# Altium PCB VESC_DEVICE.PcbDoc (part 1 of 2)
Units mil, origin at the board's own origin, x right, y up, seen from the top; angles counter-clockwise.
Board outline 2716.54 x 2125.98 mil, 4 copper layers (TOP, LAYER_1, LAYER_2, BOTTOM), stack 62.139 mil thick; 117 components, 97 nets, 397 pads, 447 vias.
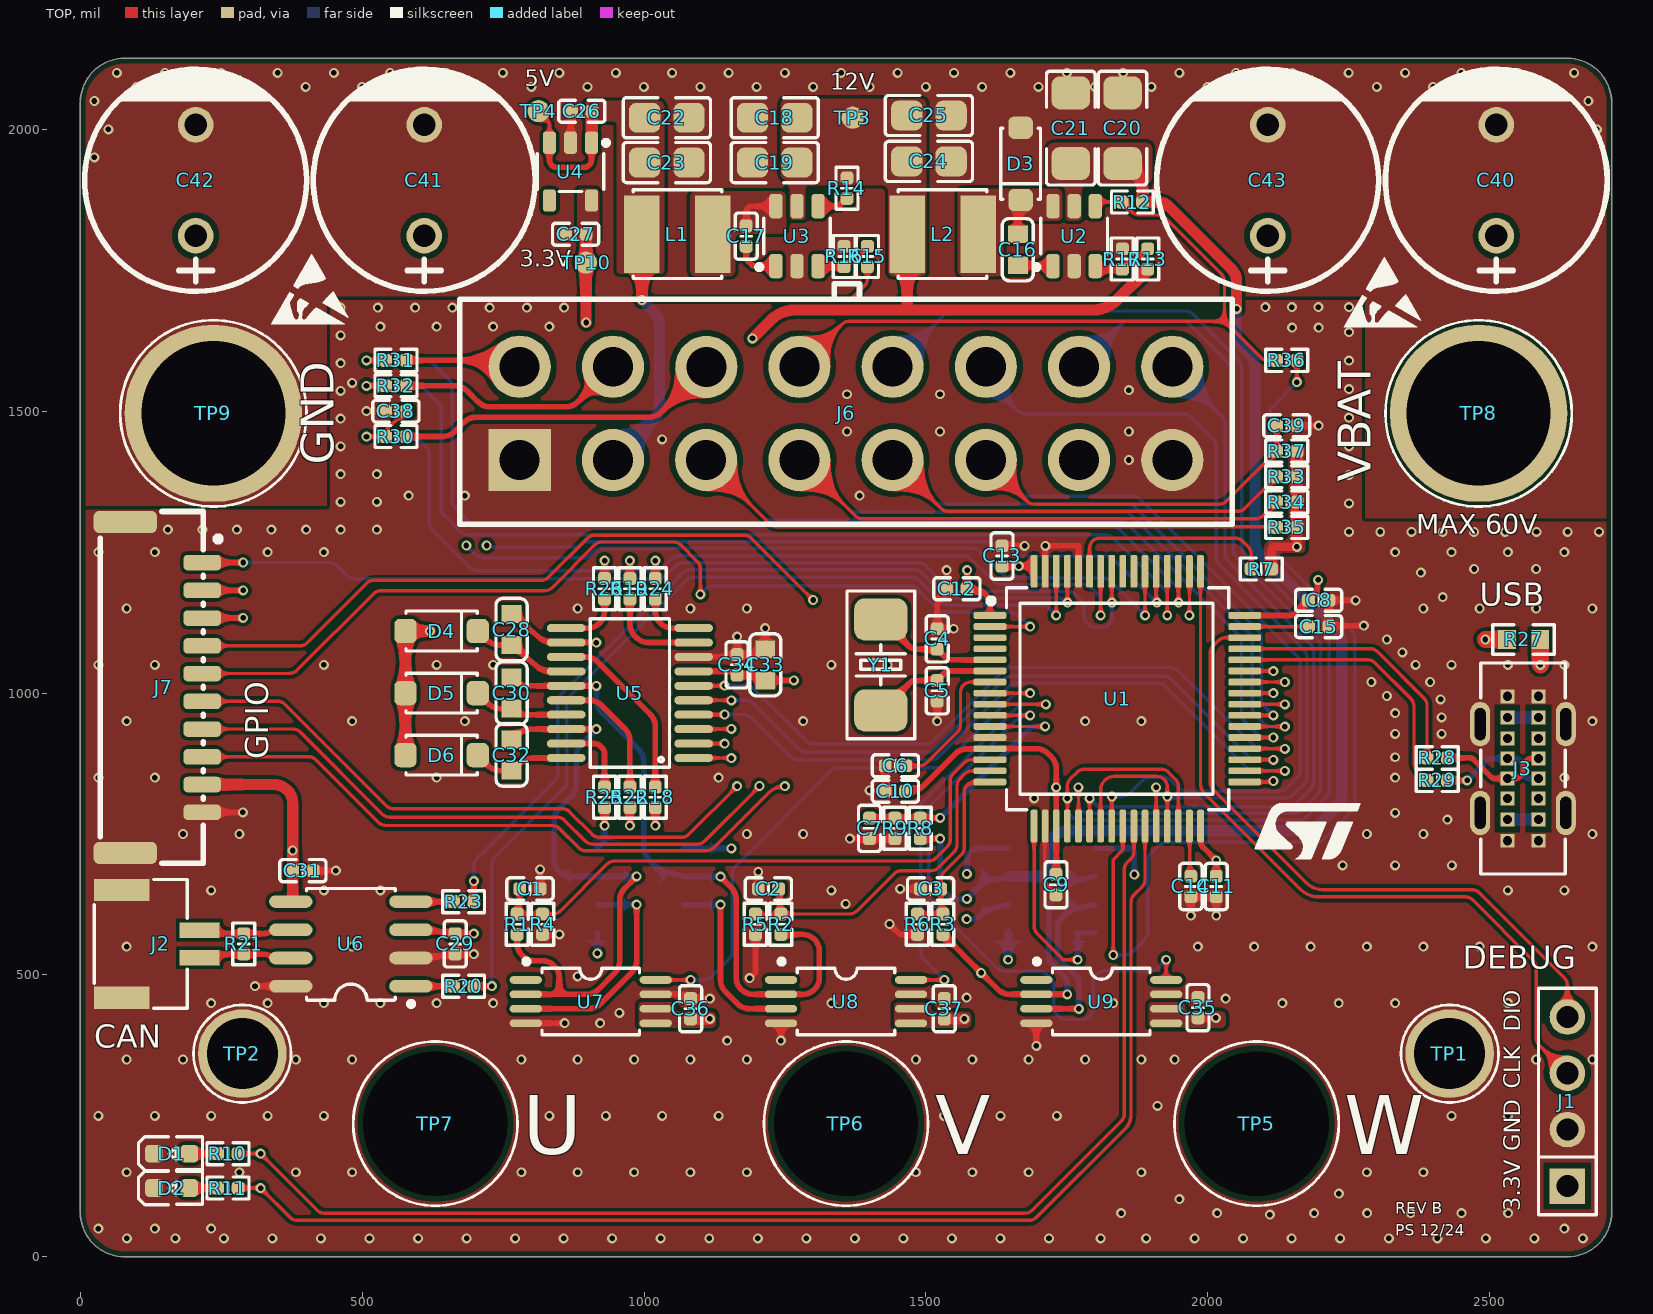
[diagram p0: TOP view]
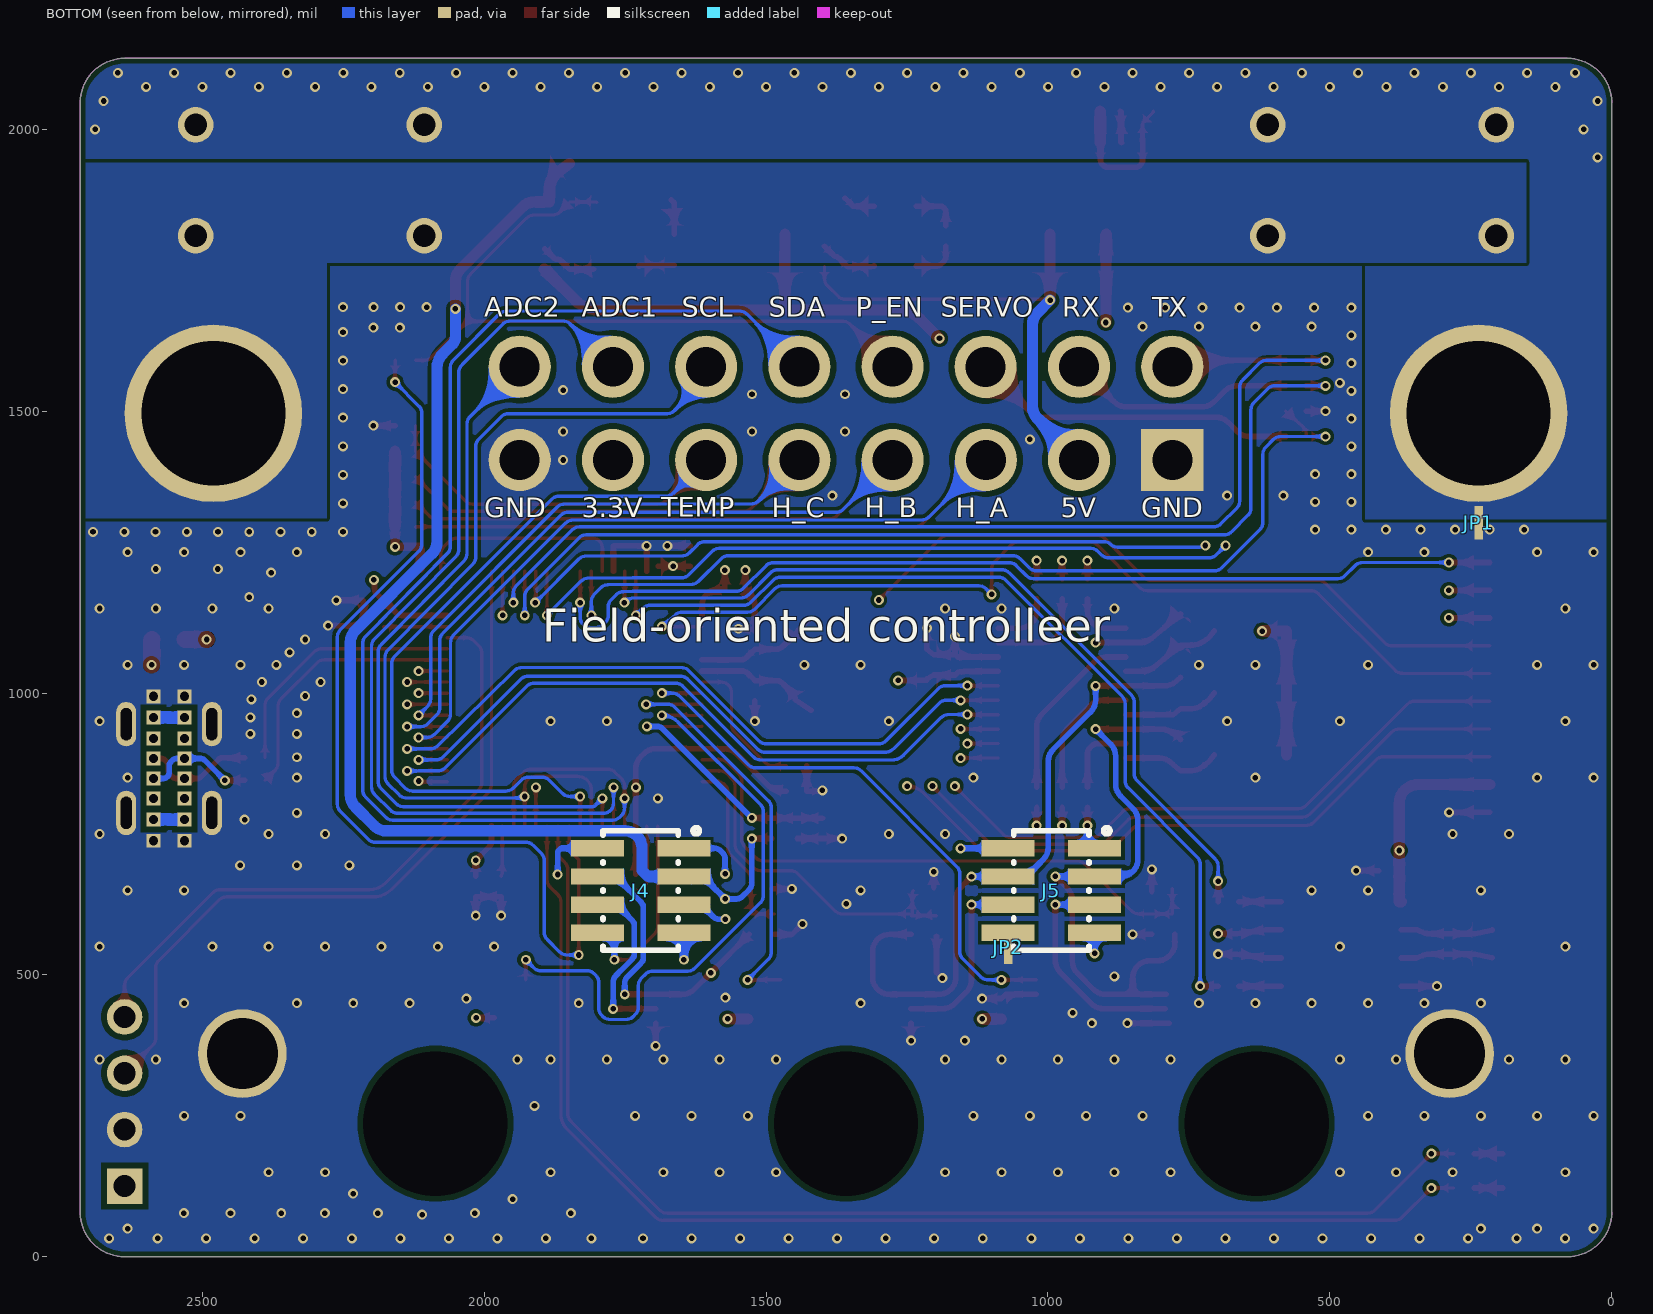
[diagram p1: BOTTOM view, seen from below]
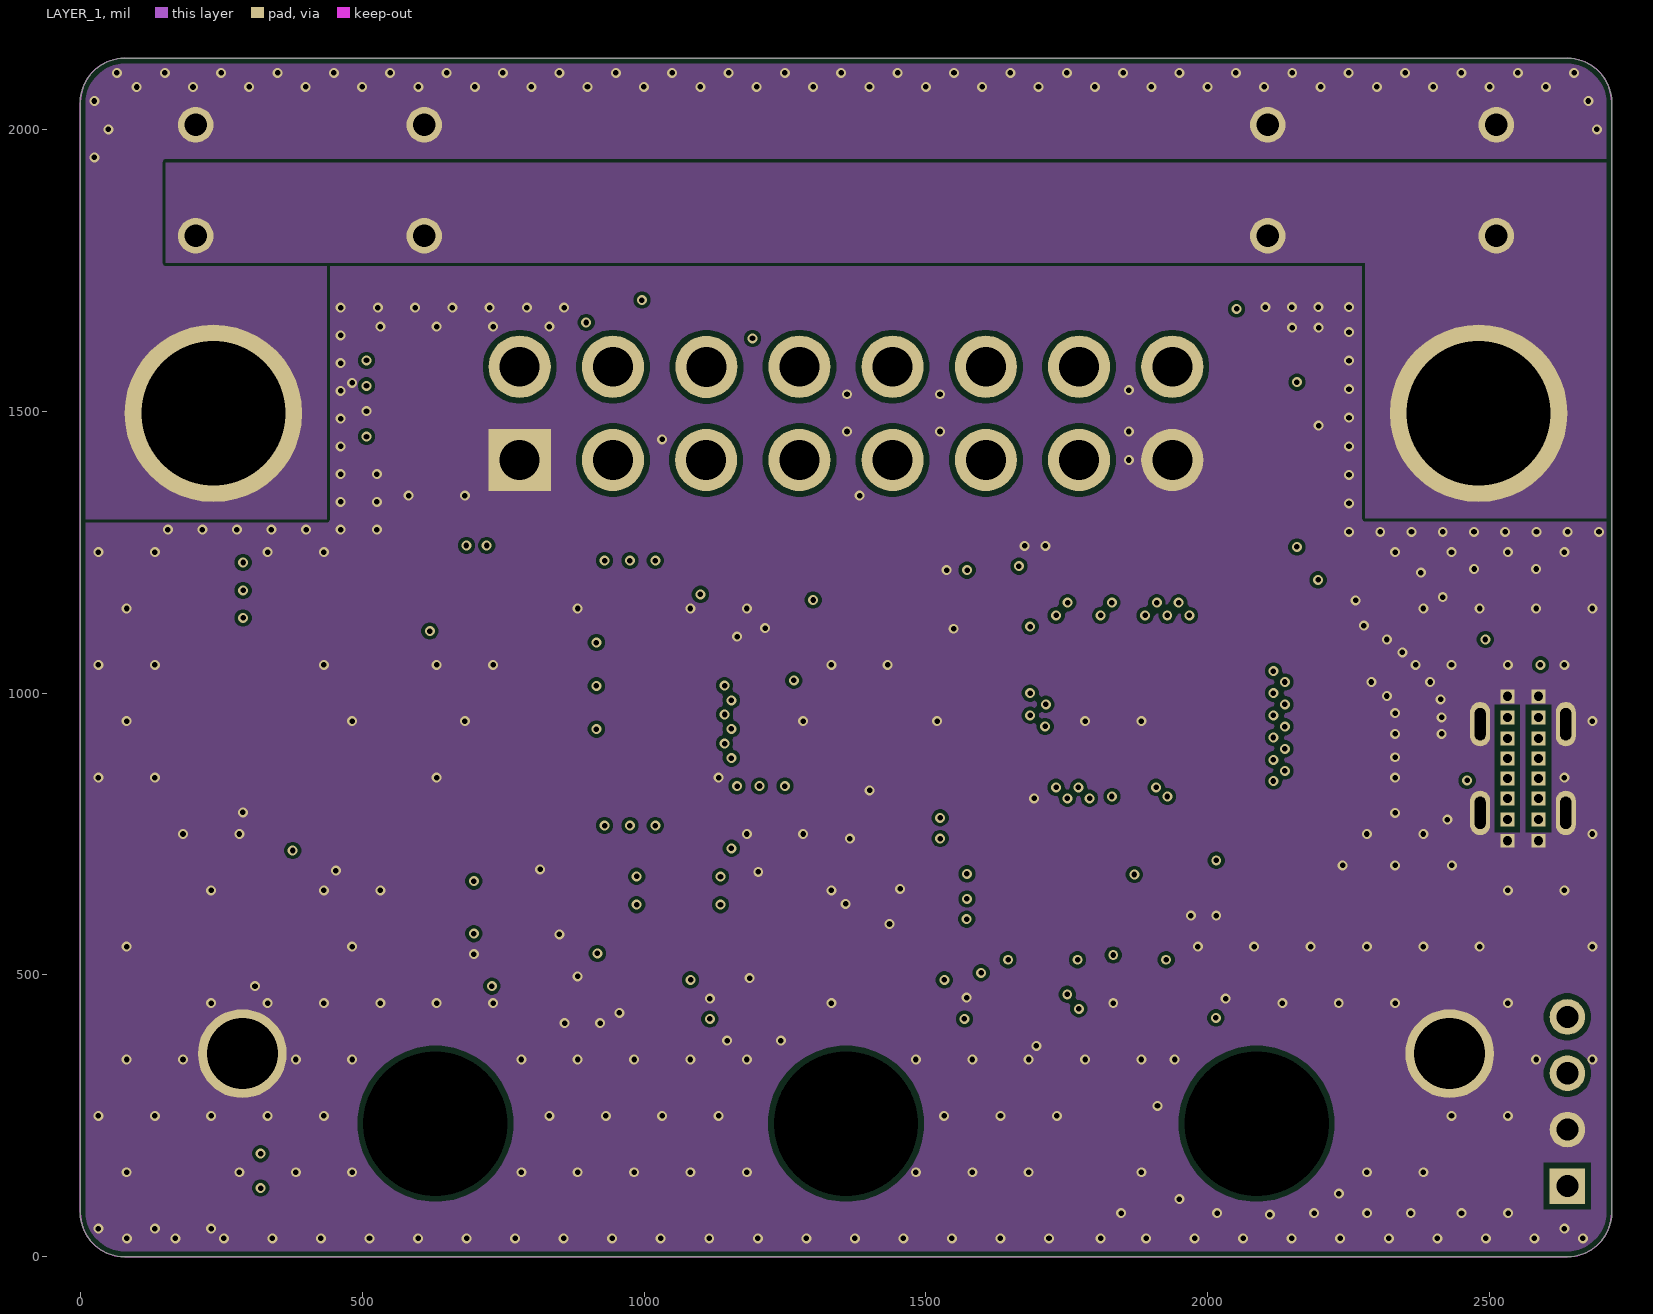
[diagram p2: LAYER_1]
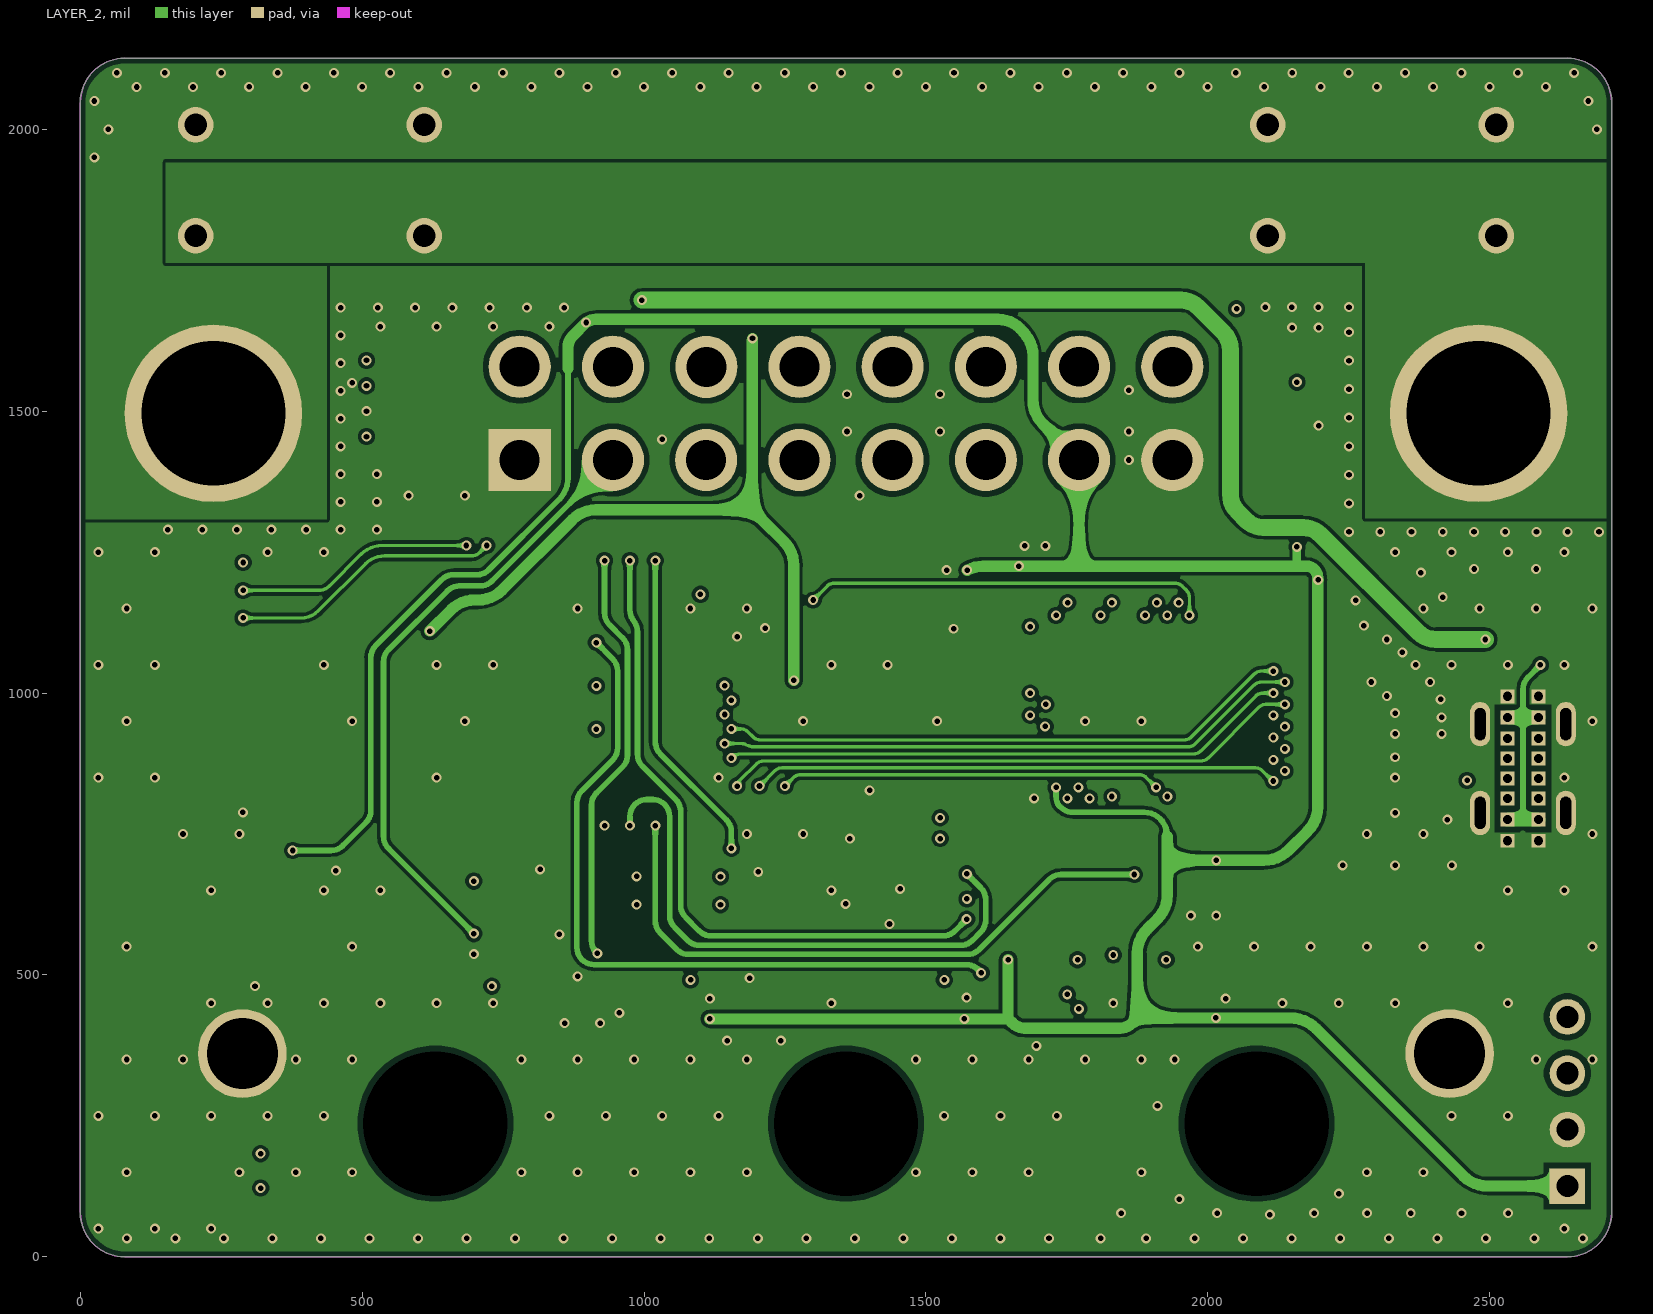
[diagram p3: LAYER_2]
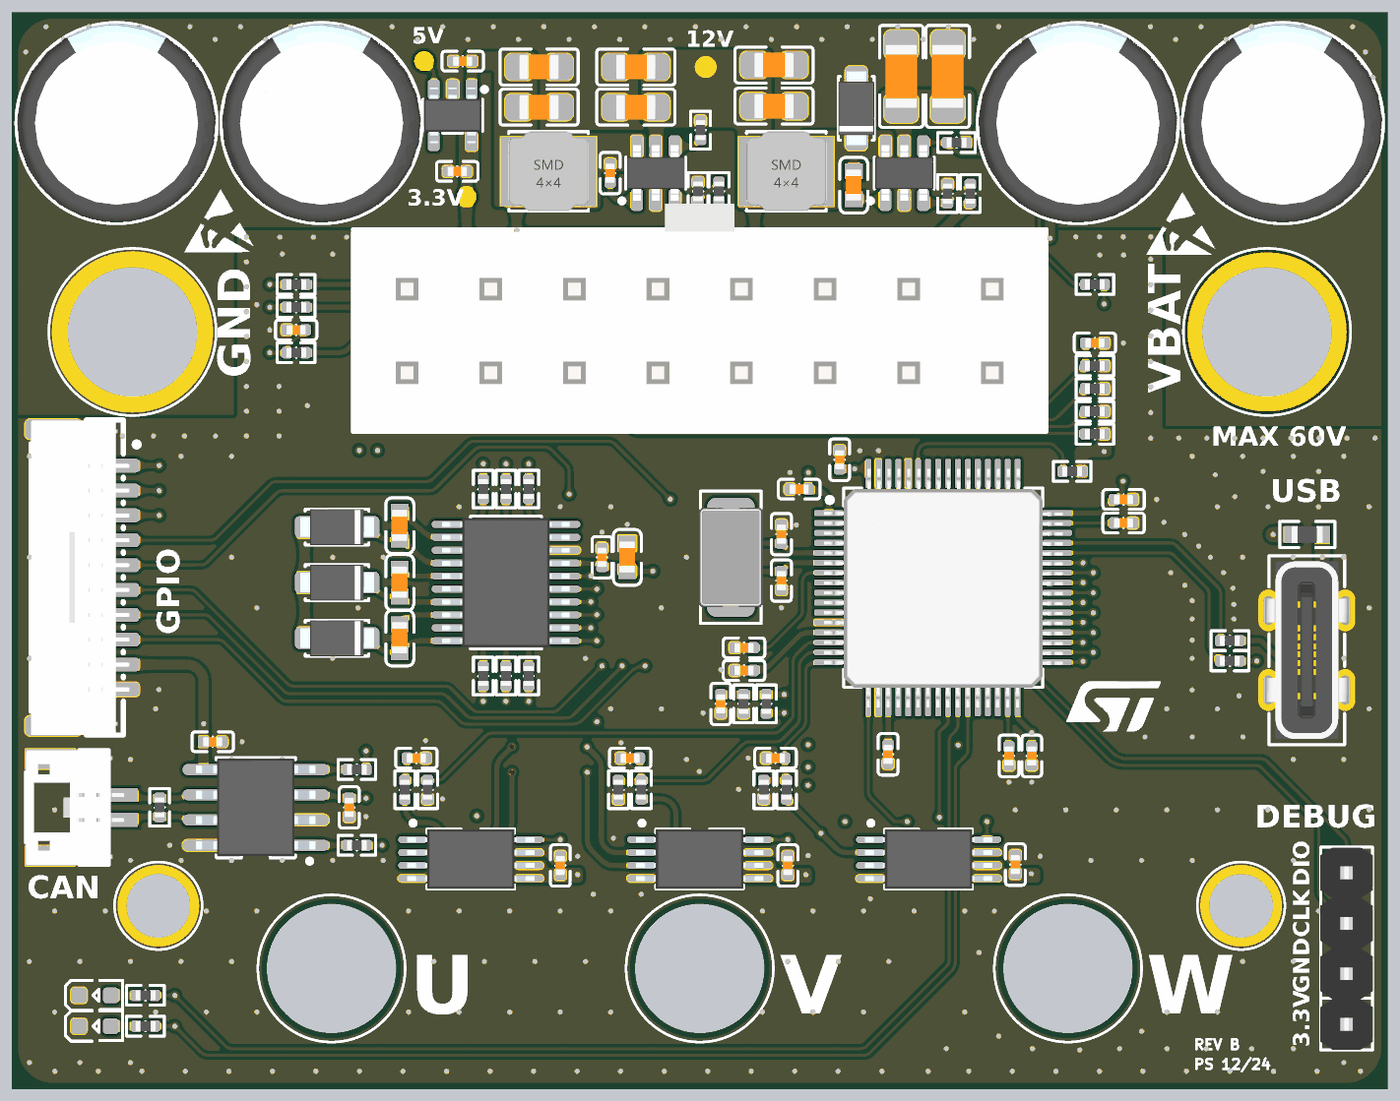
[diagram p5: 3D render of the assembled board from above, using the file's embedded part models]

## Layer stack, top to bottom
Top Solder: solder mask 0.4, Solder Resist, Dk 3.5
TOP: signal copper 1.2
Dielectric 1: core 8, FR-4, Dk 4.5
LAYER_1: signal copper 1.2
Dielectric2: core 41.3386, Core-042, Dk 4.6
LAYER_2: signal copper 1.2
Dielectric3: core 8, FR-4, Dk 4.5
BOTTOM: signal copper 1.2
Bottom Solder: solder mask 0.4, Solder Resist, Dk 3.5

## Board outline
0,78.74 0,2047.24 cw(c78.74,2047.24) 78.74,2125.98 2637.8,2125.98 cw(c2637.8,2047.24) 2716.54,2047.24 2716.54,78.74 cw(c2637.8,78.74) 2637.8,0 78.74,0 cw(c78.74,78.74)

## Design rules (kind name [scope] priority, off if disabled: settings)
BoardOutlineClearance [All] p1: gap=10 ignorepadtopadclearanceinfootprint=FALSE except(0: Arc-SplitContinuation Track-SplitContinuation SMDPad-SplitContinuation THPad-SplitContinuation Via-SplitContinuation Fill-SplitContinuation Poly-SplitContinuation Region-SplitContinuation Text-SplitContinuation; 2: Arc-OutlineEdge Track-OutlineEdge SMDPad-OutlineEdge THPad-OutlineEdge Via-OutlineEdge Fill-OutlineEdge Region-OutlineEdge Text-OutlineEdge)
Clearance [All] p1: gap=6 ignorepadtopadclearanceinfootprint=FALSE except(10: THPad-Fill THPad-Poly THPad-Region Fill-Hole Poly-Hole Region-Hole)
HoleSize [All] p1: absolutevalues=TRUE maxlimit=1000 minlimit=1 maxpercent=80.000 minpercent=20.000
MinimumSolderMaskSliver [All] p1: minsoldermaskwidth=2
PlaneConnect [All] p1: planeconnectstyle=Direct reliefexpansion=20 reliefentries=4 reliefconductorwidth=10 reliefairgap=10
PolygonConnect [All] p1: connectstyle=Direct reliefconductorwidth=10 reliefentries=4 polygonreliefangle="90 Angle" airgapwidth=10
RoutingVias [All] p1: holewidth=9.84 width=17.72 viastyle="Through Hole" minholewidth=9.84 minwidth=17.72 maxholewidth=28 maxwidth=50
ShortCircuit ShortCircuit_1 [InComponent('JP1','JP2')] p1: allowed=TRUE
ShortCircuit [All] p2: allowed=FALSE
SilkToSilkClearance [All] p1: silktosilkclearance=2
SilkToSolderMaskClearance [IsPad] p1: minsilkscreentomaskgap=1 clearancetoexposedcopper=TRUE
SolderMaskExpansion [All] p1: expansion=2 istentingtop=FALSE
SupplyNets "Schematic Supply Nets_9" [InNet('3V3')] p1: voltage=0.000
SupplyNets "Schematic Supply Nets_8" [InNet('SHC')] p2: voltage=0.000
SupplyNets "Schematic Supply Nets_7" [InNet('SHB')] p3: voltage=0.000
SupplyNets "Schematic Supply Nets_6" [InNet('5V')] p4: voltage=0.000
SupplyNets "Schematic Supply Nets_5" [InNet('SHA')] p5: voltage=0.000
SupplyNets "Schematic Supply Nets_4" [InNet('GND')] p6: voltage=0.000
SupplyNets "Schematic Supply Nets_3" [InNet('VIN')] p7: voltage=0.000
SupplyNets "Schematic Supply Nets_2" [InNet('VBAT')] p8: voltage=0.000
SupplyNets "Schematic Supply Nets_1" [InNet('12V')] p9: voltage=0.000
SupplyNets "Schematic Supply Nets" [InNet('PGND')] p10: voltage=0.000
Width [All] p1: maxlimit=100 minlimit=6 preferedwidth=10
24 further rules are at their usual default settings.

## Classes and differential pairs
component class PAGE3: C38 C39 C40 C41 C42 C43 J4 J5 J6 J7 JP1 JP2 R30 R31 R32 R33 R34 R35 R36 R37 TP1 TP2 TP5 TP6 TP7 TP8 TP9
component class PAGE2: C16 C17 C18 C19 C20 C21 C22 C23 C24 C25 C26 C27 C28 C29 C30 C31 C32 C33 C34 C35 C36 C37 D3 D4 D5 D6 J2 J3 L1 L2 R12 R13 R14 R15 R16 R17 R18 R19 R20 R21 R22 R23 R24 R25 R26 R27 R28 R29 TP3 TP4 TP10 U2 U3 U4 U5 U6 U7 U8 U9
component class PAGE1: C1 C2 C3 C4 C5 C6 C7 C8 C9 C10 C11 C12 C13 C14 C15 D1 D2 J1 R1 R2 R3 R4 R5 R6 R7 R8 R9 R10 R11 U1 Y1

## Components (designator, comment, footprint, x,y, rotation, side; value= is the part's Value field where it differs from the comment)
C1 "NC" C0402 797.79,652.63 r180 top
C2 "NC" C0402 1220.72,652.63 r0 top
C3 "NC" C0402 1508.23,652.63 r0 top
C4 "15pF/50V" C0402 1520,1095.94 r270 top
C5 "15pF/50V" C0402 1520,1003.94 r90 top
C6 "100nF/50V" C0402 1446,871 r180 top
C7 "100nF/50V" C0402 1400,760 r90 top
C8 "2.2uF/6.3V" C0402 2196.59,1164.52 r180 top
C9 "2.2uF/6.3V" C0402 1730.81,660.01 r90 top
C10 "2.2uF/6.3V" C0402 1446,826 r0 top
C11 "2.2uF/6.3V" C0402 2015,656.89 r90 top
C12 "2.2uF/6.3V" C0402 1555,1185 r0 top
C13 "2.2uF/6.3V" C0402 1635,1243.11 r270 top
C14 "2.2uF/6.3V" C0402 1970,656.89 r270 top
C15 "2.2uF/6.3V" C0402 2196.59,1117.91 r0 top
C16 "100nF/100V" C0603 1662.99,1786.3 r270 top
C17 "10nF/50V" C0402 1181.18,1810.47 r270 top
C18 "22uF/16V" C0805 1231.91,2020.48 r180 top
C19 "22uF/16V" C0805 1231.91,1940.95 r180 top
C20 "2.2uF/100V" C1206 1848.91,2002.02 r90 top
C21 "2.2uF/100V" C1206 1756.91,2002.02 r90 top
C22 "22uF/6.3V" C0805 1040.49,2020.48 r0 top
C23 "22uF/6.3V" C0805 1040.49,1940.95 r0 top
C24 "22uF/16V" C0805 1505.31,1942.95 r0 top
C25 "22uF/16V" C0805 1505.31,2024.44 r0 top
C26 "10uF/6.3V" C0402 889.49,2032 r180 top
C27 "10uF/6.3V" C0402 878.66,1813.89 r180 top
C28 "2.2uF/50V" C0603 765,1112.6 r270 top
C29 "2.2uF/6.3V" C0402 665,555 r90 top
C30 "2.2uF/50V" C0603 765,1000 r270 top
C31 "2.2uF/6.3V" C0402 395,685 r0 top
C32 "2.2uF/50V" C0603 765,890 r270 top
C33 "10uF/16V" C0603 1215,1050 r270 top
C34 "100nF/50V" C0402 1165,1050 r270 top
C35 "2.2nF/50V" C0402 1982.6,441.88 r270 top locked
C36 "2.2nF/50V" C0402 1082.6,440 r270 top locked
C37 "2.2nF/50V" C0402 1532.6,440 r270 top locked
C38 "100nF/50V" C0402 560,1500 r0 top
C39 "100nF/50V" C0402 2140,1474.13 r0 top
C40 "680uF" CAP-TH_BD10.0-P5.00-D0.6-FD 2511.81,1909.45 r90 top
C41 "680uF" CAP-TH_BD10.0-P5.00-D0.6-FD 610.24,1909.45 r90 top
C42 "680uF" CAP-TH_BD10.0-P5.00-D0.6-FD 204.72,1909.45 r90 top
C43 "680uF" CAP-TH_BD10.0-P5.00-D0.6-FD 2106.3,1909.45 r90 top
D1 "LED_GREEN" LED0603 162,183 r0 top
D2 "LED_RED" LED0603 162,122 r0 top
D3 "DSK310" SOD-123F 1667.99,1938.67 r90 top
D4 "DSK310" SOD-123F 640.9,1110 r180 top
D5 "DSK310" SOD-123F 640.9,1000 r180 top
D6 "DSK310" SOD-123F 640.9,890 r180 top
J1 "4 HEADER" ISP-4P-2_54 2637.8,275.59 r90 top locked
J2 "1.25-2PWTDK" SMD-2P-1_25 135,555 r270 top
J3 "TYPE-C 16PLC-H10.0" TYPE-C-TH_16PLC-H10.0 2559.06,866.14 r90 top
J4 "X6521WVS-2x04H-C60D74" HDR-SMD_8P-P1.27-V-M-C2-C4-LS5.3 1722.44,649.61 r270 bottom locked
J5 "X6521WVS-2x04H-C60D74" HDR-SMD_8P-P1.27-V-M-C2-C4-LS5.3 994.09,649.61 r270 bottom locked
J6 "HC-5557-2*8A" CONN-TH_HC5557-2X8A 1358.27,1496.06 r0 top locked
J7 "1.25-10GH_1" CONN-SMD_10P-P1.25_JS_GH125-S10CCA-00 148.08,1010 r270 top
JP1 "Short" SHORT#1 236.22,1302.03 r270 top
JP2 "Short" SHORT#2 1070.86,549.18 r270 top
L1 "2.2uH_2A" L4020 1059.31,1813.89 r180 top
L2 "22uH_1A" L4020 1529.5,1813.89 r180 top
R1 "39K/1%" R0402 775,590 r270 top
R2 "39K/1%" R0402 1242.65,590 r270 top
R3 "39K/1%" R0402 1530,590 r270 top
R4 "2.2K/1%" R0402 820,590 r90 top
R5 "2.2K/1%" R0402 1197.65,590 r90 top
R6 "2.2K/1%" R0402 1485,590 r90 top
R7 "10K/1%" R0402 2095,1220 r0 top
R8 "39K/1%" R0402 1490,760 r270 top
R9 "2.2K/1%" R0402 1445,760 r90 top
R10 "2.2K/1%" R0402 262,183 r180 top
R11 "2.2K/1%" R0402 262,122 r180 top
R12 "100K/1%" R0402 1866.31,1870.95 r0 top
R13 "120K/1%" R0402 1893.44,1769.89 r270 top
R14 "100K/1%" R0402 1359.98,1895.57 r270 top
R15 "82K/1%" R0402 1396.31,1774.37 r270 top
R16 "11K/1%" R0402 1354.98,1774.37 r270 top
R17 "8.2K/1%" R0402 1848.44,1769.89 r270 top
R18 "5.1R/1%" R0402 1020,815 r90 top
R19 "5.1R/1%" R0402 975,1185 r270 top
R20 "0R/1%" R0402 680,480 r0 top
R21 "120R/1%" R0402 290,555 r90 top
R22 "5.1R/1%" R0402 975,815 r90 top
R23 "0R/1%" R0402 680,630 r0 top
R24 "5.1R/1%" R0402 1020,1185 r270 top
R25 "5.1R/1%" R0402 930,815 r90 top
R26 "5.1R/1%" R0402 930,1185 r270 top
R27 "NC" R0603 2560,1095 r180 top
R28 "22R/1%" R0402 2406.89,885 r180 top
R29 "22R/1%" R0402 2406.89,845 r180 top
R30 "100R/1%" R0402 560,1455 r180 top
R31 "22R/1%" R0402 560,1590 r180 top
R32 "22R/1%" R0402 560,1545 r180 top
R33 "4.7K/1%" R0402 2140,1383.82 r0 top
R34 "4.7K/1%" R0402 2140,1338.82 r0 top
R35 "4.7K/1%" R0402 2140,1293.82 r0 top
R36 "NC_10K/1%" R0402 2140,1590 r180 top
R37 "10K/1%" R0402 2140,1429.13 r0 top
TP1 "TEST POINT" HOLE-4MM_M 2429.13,360.24 r0 top
TP2 "TEST POINT" HOLE-4MM_M 287.4,360.24 r0 top
TP3 "TEST POINT" test_point_100_smd 1370.12,2020.48 r270 top
TP4 "TEST POINT" test_point_100_smd 812.94,2032.21 r270 top
TP5 "TEST POINT" HOLE-8MM_M#1 2086.61,236.22 r0 top locked
TP6 "TEST POINT" HOLE-8MM_M#1 1358.27,236.22 r0 top
TP7 "TEST POINT" HOLE-8MM_M#1 629.92,236.22 r0 top
TP8 "TEST POINT" HOLE-8MM_M#2 2480.32,1496.06 r0 top locked
TP9 "TEST POINT" HOLE-8MM_M#2 236.22,1496.06 r0 top locked
TP10 "TEST POINT" test_point_100_smd 897.09,1763.45 r270 top
U1 "STM32F405RGT6" LQFP64_10X10_05P 1840,990 r270 top locked
U2 "LMR16006XDDCR" SOT-23-6 1762.94,1810.47 r270 top
U3 "LP6460B6F" SOT-23-6 1271.31,1810.47 r270 top
U4 "XC6219B332MR" SOT-23-5 869.59,1925 r90 top
U5 "FD6288T" TSSOP-20 975,1000 r90 top
U6 "TJA1042T/1J" SOP-8 480,555 r90 top
U7 "INA240A1PWR" TSSOP-8 905.51,452.8 r270 top locked
U8 "INA240A1PWR" TSSOP-8 1358.27,452.8 r270 top locked
U9 "INA240A1PWR" TSSOP-8 1811.02,452.8 r270 top locked
Y1 "8M" SMD5032-2P 1420,1050 r90 top
